# Altium PCB NUCLEOG431RB-Custom-IN-A2212.PcbDoc
Units mm, origin at the board's own origin, x right, y up, seen from the top; angles counter-clockwise.
Board outline 150 x 100 mm, 2 copper layers (Top Layer, Bottom Layer), stack 1.534 mm thick; 24 components, 84 nets, 57 pads, 0 vias.
Unrouted connection lines stored in the file: 34.
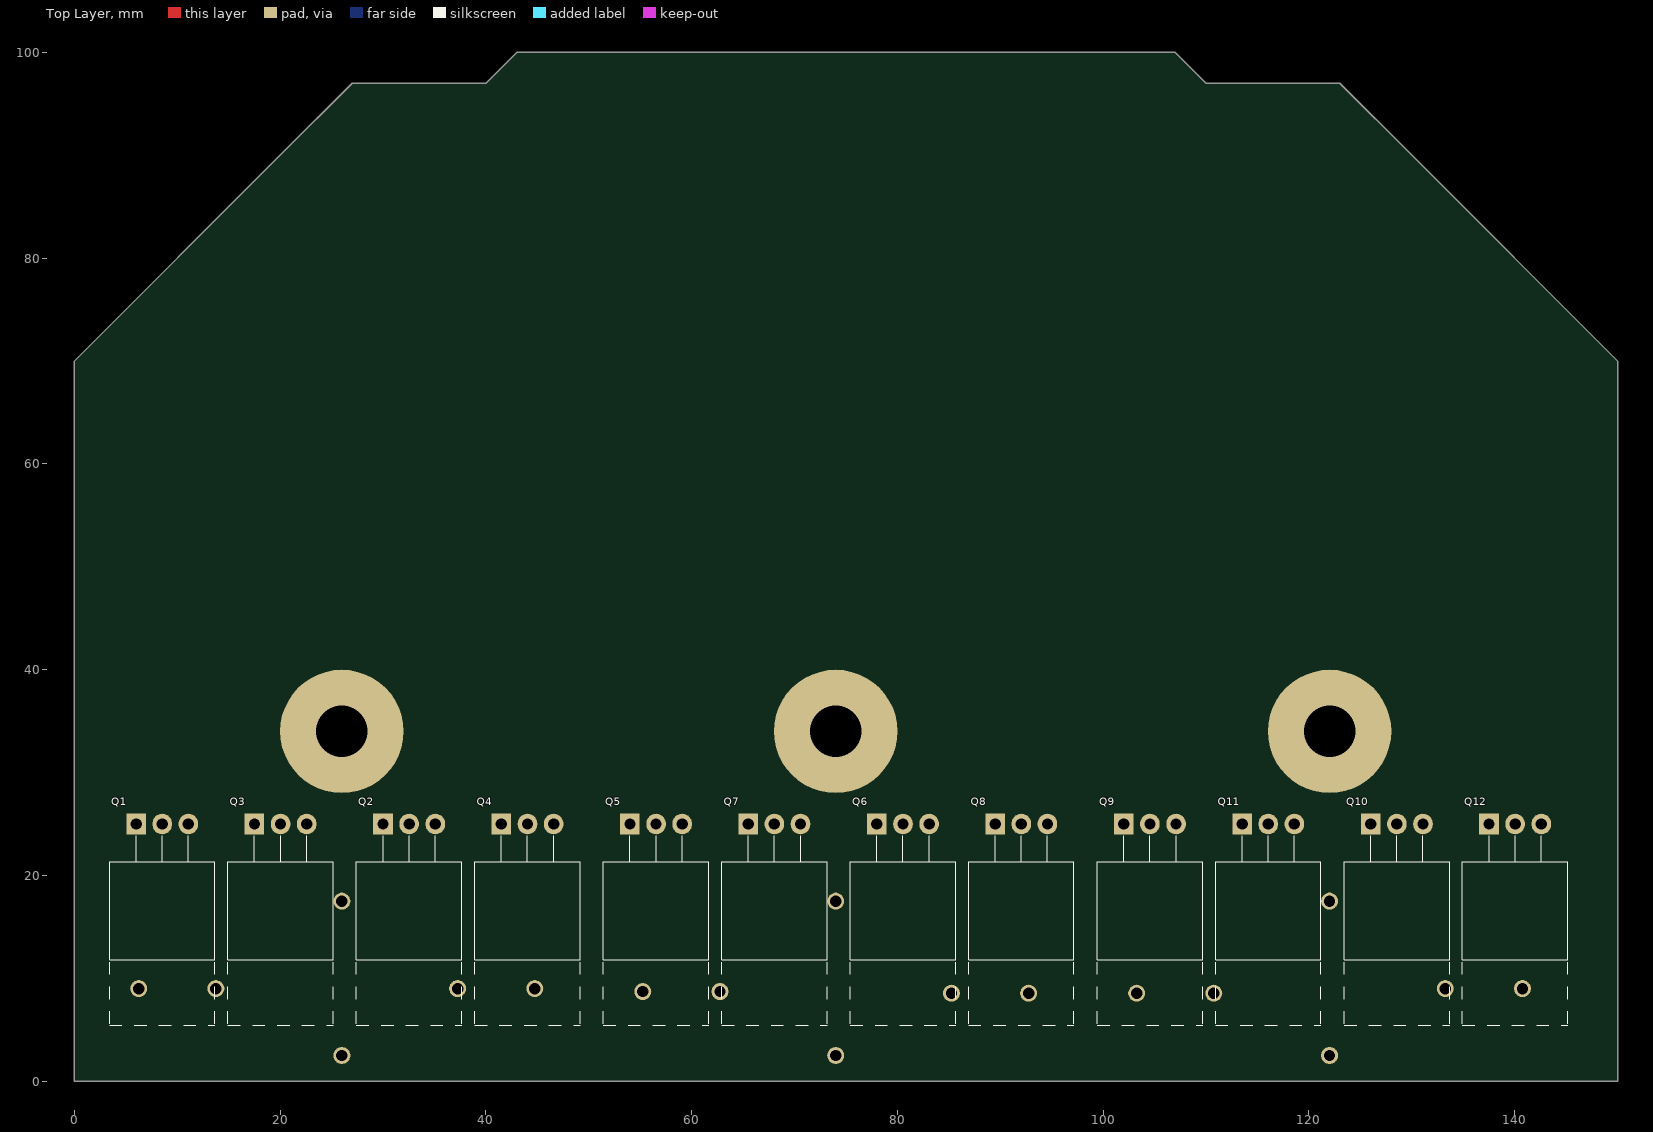
[diagram p0: Top Layer view]
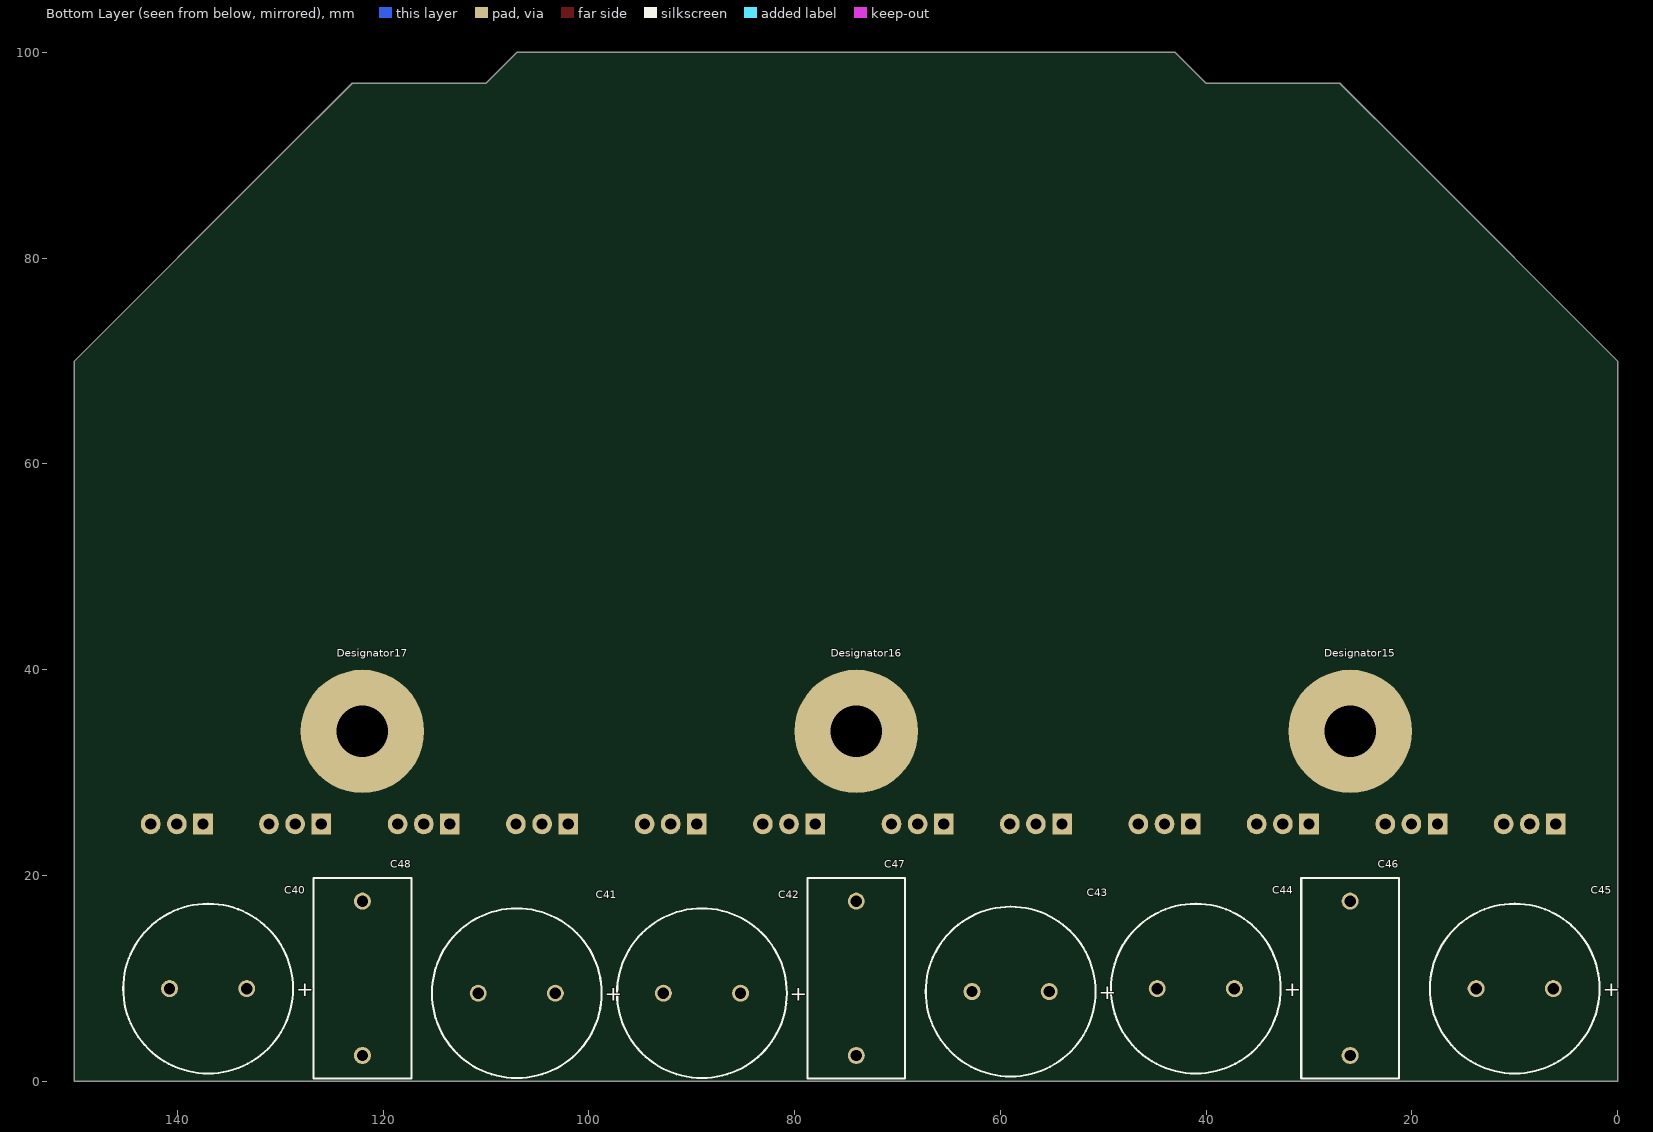
[diagram p1: Bottom Layer view, seen from below]

## Layer stack, top to bottom
Top Solder: solder mask 0.0127, Solder Resist, Dk 3.3
Top Layer: signal copper 0.0178
Dielectric1: core 1.4986, FR-4, Dk 4.3
Bottom Layer: signal copper 0.0178
Bottom Solder: solder mask 0.0127, Solder Resist, Dk 3.3

## Board outline
0,0 0,70 20,90 27,97 40,97 43,100 107,100 110,97 123,97 130,90 150,70 150,0

## Design rules (kind name [scope] priority, off if disabled: settings)
Clearance "Schematic Clearance Constraint" [InNetClass('HV')] p1: gap=0.762 ignorepadtopadclearanceinfootprint=FALSE except(0: Arc-Hole Track-Hole SMDPad-Hole THPad-Hole Via-Hole Fill-Hole Poly-Hole Region-Hole Text-Hole; 0.254: Arc-Text Track-Text SMDPad-Text THPad-Text Via-Text Fill-Text Poly-Text Region-Text Text-Text)
Clearance [All] p2: gap=0.254 ignorepadtopadclearanceinfootprint=FALSE
DiffPairsRouting [All] p1: maxlimit=0.254 minlimit=0.254 mostfreqgap=0.254 toplayer_minwidth=0.254 toplayer_maxwidth=0.254 toplayer_prefwidth=0.254 bottomlayer_minwidth=0.254 bottomlayer_maxwidth=0.254 bottomlayer_prefwidth=0.254 maxuncoupledlength=12.7
HoleSize [All] p1: absolutevalues=TRUE maxlimit=7.62 minlimit=0.254 maxpercent=80.000 minpercent=20.000
MinimumAnnularRing [All] p1: minimumring=0.254
PasteMaskExpansion [All] p1: expansion=0.254
PlaneClearance [All] p1: clearance=0.381
PlaneConnect [All] p1: pad.planeconnectstyle=Relief pad.reliefexpansion=0.508 pad.reliefentries=4 pad.reliefconductorwidth=0.254 pad.reliefairgap=0.254 via.planeconnectstyle=Direct via.reliefexpansion=0.508 via.reliefentries=4 via.reliefconductorwidth=0.254 via.reliefairgap=0.254
PolygonConnect [All] p1: thpad.connectstyle=Relief thpad.reliefconductorwidth=0.254 thpad.reliefentries=4 thpad.polygonreliefangle="90 Angle" thpad.airgapwidth=0.254 smdpad.connectstyle=Relief smdpad.reliefconductorwidth=0.254 smdpad.reliefentries=4 smdpad.polygonreliefangle="90 Angle" smdpad.airgapwidth=0.254 via.connectstyle=Direct via.reliefconductorwidth=0.254 via.reliefentries=4 via.polygonreliefangle="90 Angle" via.airgapwidth=0.254
RoutingVias [All] p1: holewidth=0.254 width=0.508 viastyle="Through Hole" minholewidth=0.254 minwidth=0.508 maxholewidth=0.254 maxwidth=0.508
SMDNeckDown [All] p1: percent=100.000
SilkToSolderMaskClearance SilkscreenOverComponentPads [IsPad] p1: minsilkscreentomaskgap=0.254 clearancetoexposedcopper=TRUE
SolderMaskExpansion [All] p1: expansion=0.254 istentingtop=FALSE
Width [All] p1: maxlimit=0.254 minlimit=0.254 preferedwidth=0.254
24 further rules are at their usual default settings.

## Classes and differential pairs
channel class Connector: U_Connector1 U_Connector2
net class HV: 15V 60V A_GND NetC14_2 NetC17_1 NetQ13_1 NetQ14_1 NetR50_1 NetR57_1
component class U_Power_Section: C40 C41 C42 C43 C44 C45 C46 C47 C48 Q1 Q2 Q3 Q4 Q5 Q6 Q7 Q8 Q9 Q10 Q11 Q12

## Components (designator, comment, footprint, x,y, rotation, side; value= is the part's Value field where it differs from the comment)
C40 "270uF, 100V" WCAP-ATUL_16x25 137,9 r180 bottom
C41 "270uF, 100V" WCAP-ATUL_16x25 107,8.554 r180 bottom
C42 "270uF, 100V" WCAP-ATUL_16x25 89,8.554 r180 bottom
C43 "270uF, 100V" WCAP-ATUL_16x25 59,8.712 r180 bottom
C44 "270uF, 100V" WCAP-ATUL_16x25 41,9 r180 bottom
C45 "270uF, 100V" WCAP-ATUL_16x25 10,9 r180 bottom
C46 "2.2uF, 100V" L18_W8.5_H15_P15 26,10 r90 bottom
C47 "2.2uF, 100V" L18_W8.5_H15_P15 74,10 r90 bottom
C48 "2.2uF, 100V" L18_W8.5_H15_P15 122,10 r90 bottom
Designator15 "Comment" Tab 26,34 r180 bottom
Designator16 "Comment" Tab 74,34 r180 bottom
Designator17 "Comment" Tab 122,34 r180 bottom
Q1 "IRFB4110" TO-220-3_HORIZONTAL_TABUP 6,25 r0 top
Q2 "IRFB4110" TO-220-3_HORIZONTAL_TABUP 30,25 r0 top
Q3 "IRFB4110" TO-220-3_HORIZONTAL_TABUP 17.5,25 r0 top
Q4 "IRFB4110" TO-220-3_HORIZONTAL_TABUP 41.5,25 r0 top
Q5 "IRFB4110" TO-220-3_HORIZONTAL_TABUP 54,25 r0 top
Q6 "IRFB4110" TO-220-3_HORIZONTAL_TABUP 78,25 r0 top
Q7 "IRFB4110" TO-220-3_HORIZONTAL_TABUP 65.5,25 r0 top
Q8 "IRFB4110" TO-220-3_HORIZONTAL_TABUP 89.5,25 r0 top
Q9 "IRFB4110" TO-220-3_HORIZONTAL_TABUP 102,25 r0 top
Q10 "IRFB4110" TO-220-3_HORIZONTAL_TABUP 126,25 r0 top
Q11 "IRFB4110" TO-220-3_HORIZONTAL_TABUP 113.5,25 r0 top
Q12 "IRFB4110" TO-220-3_HORIZONTAL_TABUP 137.5,25 r0 top

## Footprints (in the part's own frame and the unit in brackets; to place one, negate y for a bottom-side part, rotate by r counter-clockwise, add the part's x,y. Pads: shape width x height; smd on the part's side, far side on the other; paste and mask are expansions set on the pad)
L18_W8.5_H15_P15 [mm] "THT Film Capacitors, body 18x8.5mm"
  round 1.65 hole 1.1: 1(-7.5,0) 2(7.5,0)
  silkscreen extent -9.75,-4.75 9.75,4.75, body extent -9,-4.25 9,4.25, height 15.05
Tab [mm]
  round 12 hole 5: 1(0,0)
  body extent -6,-6 6,6, height 30
TO-220-3_HORIZONTAL_TABUP [mm]
  rect 1.905x2 hole 1.1 paste-2 mask+0.05: 1(0,0)
  rrect100% 1.905x2 hole 1.1 paste-2 mask+0.05: 2(2.54,0) 3(5.08,0)
  silkscreen extent -2.58,-19.58 7.66,-1.15, body extent -2.58,-19.47 7.67,0.26, height 4.45
WCAP-ATUL_16x25 [mm] "Aluminum Electrolytic Capacitors, 16x25mm"
  round 1.65 hole 1.1: 1(-3.75,0) 2(3.75,0)
  silkscreen extent -8.25,-8.25 8.25,8.25, body extent -7.99,-8 8,8, height 24.89

## Part data
C40 C41 C42 C43 C44 C45: library part 860040880007, "WCAP-ATUL THT Aluminum Electrolytic Capacitors, D16mm x L25mm, 270uF, +/-20%, 100VDC", Capacitance=270uF, Capacitance Tolerance=+/-20%, Leakage Current=270uA, Operating Temperature="-40 to +105degC", Rated Voltage=100VDC, Ripple Current max.=1480mA, ComponentLink1Description=Manufacturer, ComponentLink1URL=http://www.we-online.de, ComponentLink2Description=Datasheet, ComponentLink2URL=https://katalog.we-online.com/pbs/datasheet/860040880007.pdf, Diameter=16mm, Dissipation Factor=9%, Endurance=10000h, Length=25mm, Mounting Technology=THT, Packaging="Ammo Pack", Part Number=860040880007, Published Date="August 2019", Publisher="Wurth Elektronik", Technical Reference=ATDK250271M100DSPAEK000
C46 C47 C48: library part 890263425004CS, "WCAP-FTBE THT Film Capacitors, 2.2uF, 100VDC", Capacitance=2.2uF, Insulation Resistance="3000Ohm x F", Operating Temperature="-40 to +85degC", Rate of Voltage Rise=9V/us, Rated Voltage=100VDC, ComponentLink1Description=Manufacturer, ComponentLink1URL=http://www.we-online.de, ComponentLink2Description=Datasheet, ComponentLink2URL=https://katalog.we-online.com/pbs/datasheet/890263425004CS.pdf, Dissipation Factor@1kHz=1%, Dissipation Factor@10kHz=1.6%, Dissipation Factor@100kHz=5%, Height=15mm, Length=18mm, Mounting Technology=THT, Packaging=Carton, Part Number=890263425004CS, Pitch=15mm, Published Date="August 2019", Publisher="Wurth Elektronik", Technical Reference=MPSP015225K100DCPP45004, Width=8.5mm
Q1 Q2 Q3 Q4 Q5 Q6 Q7 Q8 Q9 Q10 Q11 Q12: library part CUSTOM-MOS, "100V 120A", Manufacturer=Infineon, PartNumber=IPW65R110CFDA, ComponentLink1Description="Manufacturer URL", ComponentLink1URL=http://www.infineon.com/, ComponentLink2Description=Datasheet, ComponentLink2URL=http://www.infineon.com/dgdl/DS_IPX65R110CFDA_2_0.pdf?folderId=db3a3043163797a6011637d4bae7003b&fileId=db3a304336797ff90136ba7c820925a5, ComponentLink3Description="Package Specification", ComponentLink3URL=http://www.infineon.com/cms/packages/Leaded_and_through-hole/P-PG-TO247/P-PG-TO247-3-44.html?__locale=en, DatasheetVersion="Rev. 2.0", Green=TRUE, Halogen-free=available, ID (max)="31.2Â A", IDpuls (max)="99.6Â A", Mounting Technology="Through Hole", PackageDescription="3-Pin Plastic (Green) Transistor Single Outline Package, 15.94 x 20.95 mm Body, 5.44 mm Pitch", PackageReference=PG-TO247-3-44, PackageVersion="Rev. 03", Packing=Tube, Polarity=N, Ptot (max)="277.8Â W", QG="118Â nC", RDS (on) (max)="110Â mOhm", Rth="0.45Â K/W", RthJA (max)="62Â K/W", RthJC (max)="0.45Â K/W", Technology="CoolMOS CFDA", VDS (max)="650Â V", VGS(th) (max)="4.5Â V", VGS(th) (min)="3.5Â V"

## Nets (pads, with @x,y where several pads share a name; then routed paths per layer and width w, separated by ;. In a path a pad name is that pad's centre, name@x,y a point inside that pad or via, vN(x,y) a via of type N, cw(c..) or ccw(c..) an arc to the next point about the centre after c; other vN are vias at no path point)
3.3V: 
5V: 
15V: 
15V_ISO: 
60V: C40.2 C41.2 C42.2 C43.2 C44.2 C45.2 C46.2 C47.2 C48.2 Q1.2 Q3.2 Q5.2 Q7.2 Q9.2 Q11.2
A_GND: C40.1 C41.1 C42.1 C43.1 C44.1 C45.1 C46.1 C47.1 C48.1
BEMF_U: 
BEMF_V: 
BEMF_W: 
G_HU: 
G_HV: 
G_HW: 
G_LU: 
G_LV: 
G_LW: 
GND_ISO: 
GNDC: 
GPIO_BEMF: 
NetC4_1: 
NetC14_1: 
NetC14_2: 
NetC15_2: 
NetC17_1: 
NetC23_1: 
NetC24_1: 
NetC26_1: 
NetC26_2: 
NetC27_1: 
NetC27_2: 
NetC31_1: 
NetC31_2: 
NetC38_1: 
NetC39_1: 
NetC39_2: 
NetD1_1: 
NetD1_2: Q1.1
NetD2_1: 
NetD2_2: Q3.1
NetD3_1: 
NetD3_2: Q5.1
NetD4_1: 
NetD4_2: Q7.1
NetD5_1: 
NetD5_2: Q9.1
NetD6_1: 
NetD6_2: Q11.1
NetD7_1: 
NetD7_2: Q2.1
NetD8_1: 
NetD8_2: Q4.1
NetD9_1: 
NetD9_2: Q6.1
NetD10_1: 
NetD10_2: Q8.1
NetD11_1: 
NetD11_2: Q10.1
NetD12_1: 
NetD12_2: Q12.1
NetD15_2: 
NetD17_2: 
NetD19_2: 
NetD20_1: 
NetQ2_3: Q2.3 Q4.3
NetQ6_3: Q6.3 Q8.3
NetQ10_3: Q10.3 Q12.3
NetQ13_1: 
NetQ14_1: 
NetR50_1: 
NetR52_1: 
NetR55_2: 
NetR57_1: 
NetR58_2: 
NetR63_1: 
NetR64_1: 
NetR66_1: 
PH_U: Q1.3 Q2.2 Q3.3 Q4.2
PH_V: Q5.3 Q6.2 Q7.3 Q8.2
PH_W: Q9.3 Q10.2 Q11.3 Q12.2
V_Shunt_U_+: 
V_Shunt_U_-: 
V_Shunt_V_+: 
V_Shunt_V_-: 
V_Shunt_W_+: 
V_Shunt_W_-: 
pads on no net: Designator15.1 Designator16.1 Designator17.1

## Silkscreen, mask and mechanical layers (free items; w line width, h text height)
Dimensions:
  lines w0.254: 40,97 43,100 ; 40,97 27,97 20,90 0,70 0,0 150,0 150,70 123,97 110,97 107,100 43,100 ; 40,97 40,97 ; 43,100 43,100
Board:
  the board outline again, w0.254

## Dimensions
107,100 to 150,0 on Dimensions
0,0 to 150,0 on Dimensions
0,70 to 0,0 on Dimensions

## Text inside footprints (layer, text, board x,y; h text height)
C40: Bottom Overlay "+" at 128.45,8.25 h1.5
C41: Bottom Overlay "+" at 98.45,7.804 h1.5
C42: Bottom Overlay "+" at 80.45,7.804 h1.5
C43: Bottom Overlay "+" at 50.45,7.962 h1.5
C44: Bottom Overlay "+" at 32.45,8.25 h1.5
C45: Bottom Overlay "+" at 1.45,8.25 h1.5